# Altium PCB Steam_dev_kit_revised.PcbDoc (part 1 of 3)
Units mil, origin at the board's own origin, x right, y up, seen from the top; angles counter-clockwise.
Board outline 3928.81 x 3902.03 mil, 2 copper layers (Top Layer, Bottom Layer); 218 components, 238 nets, 968 pads, 458 vias.
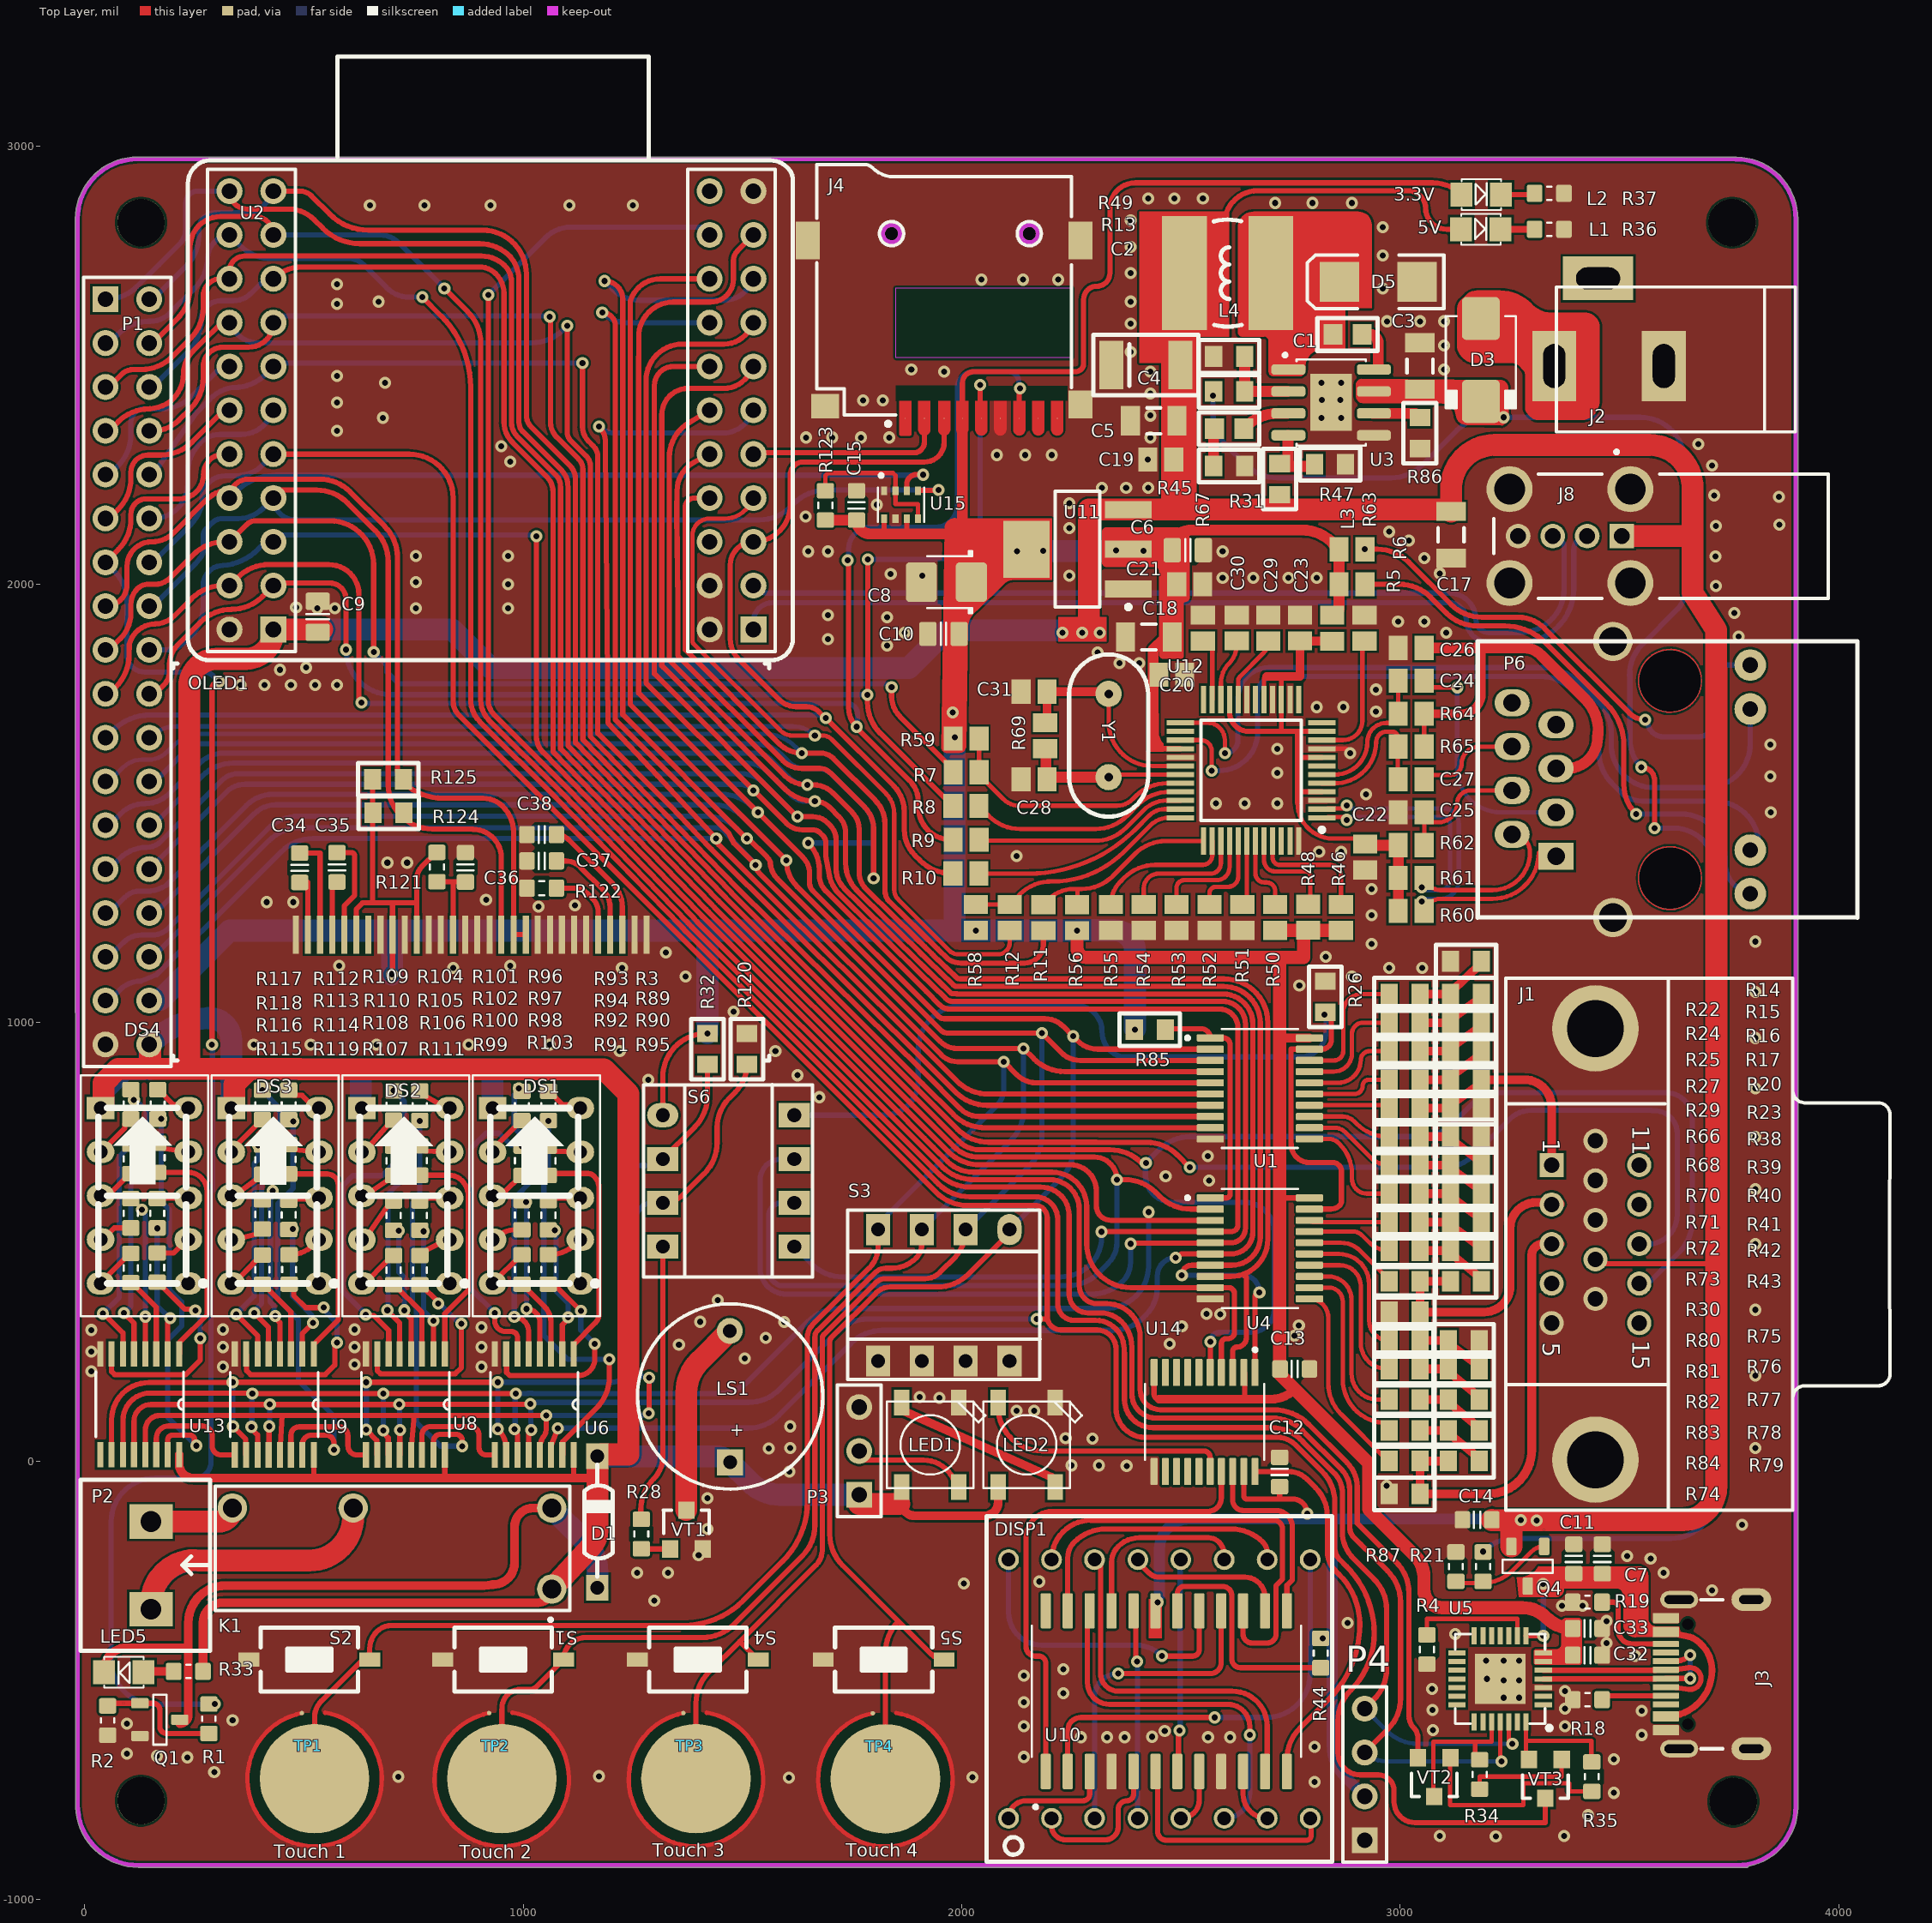
[diagram p0: Top Layer view]
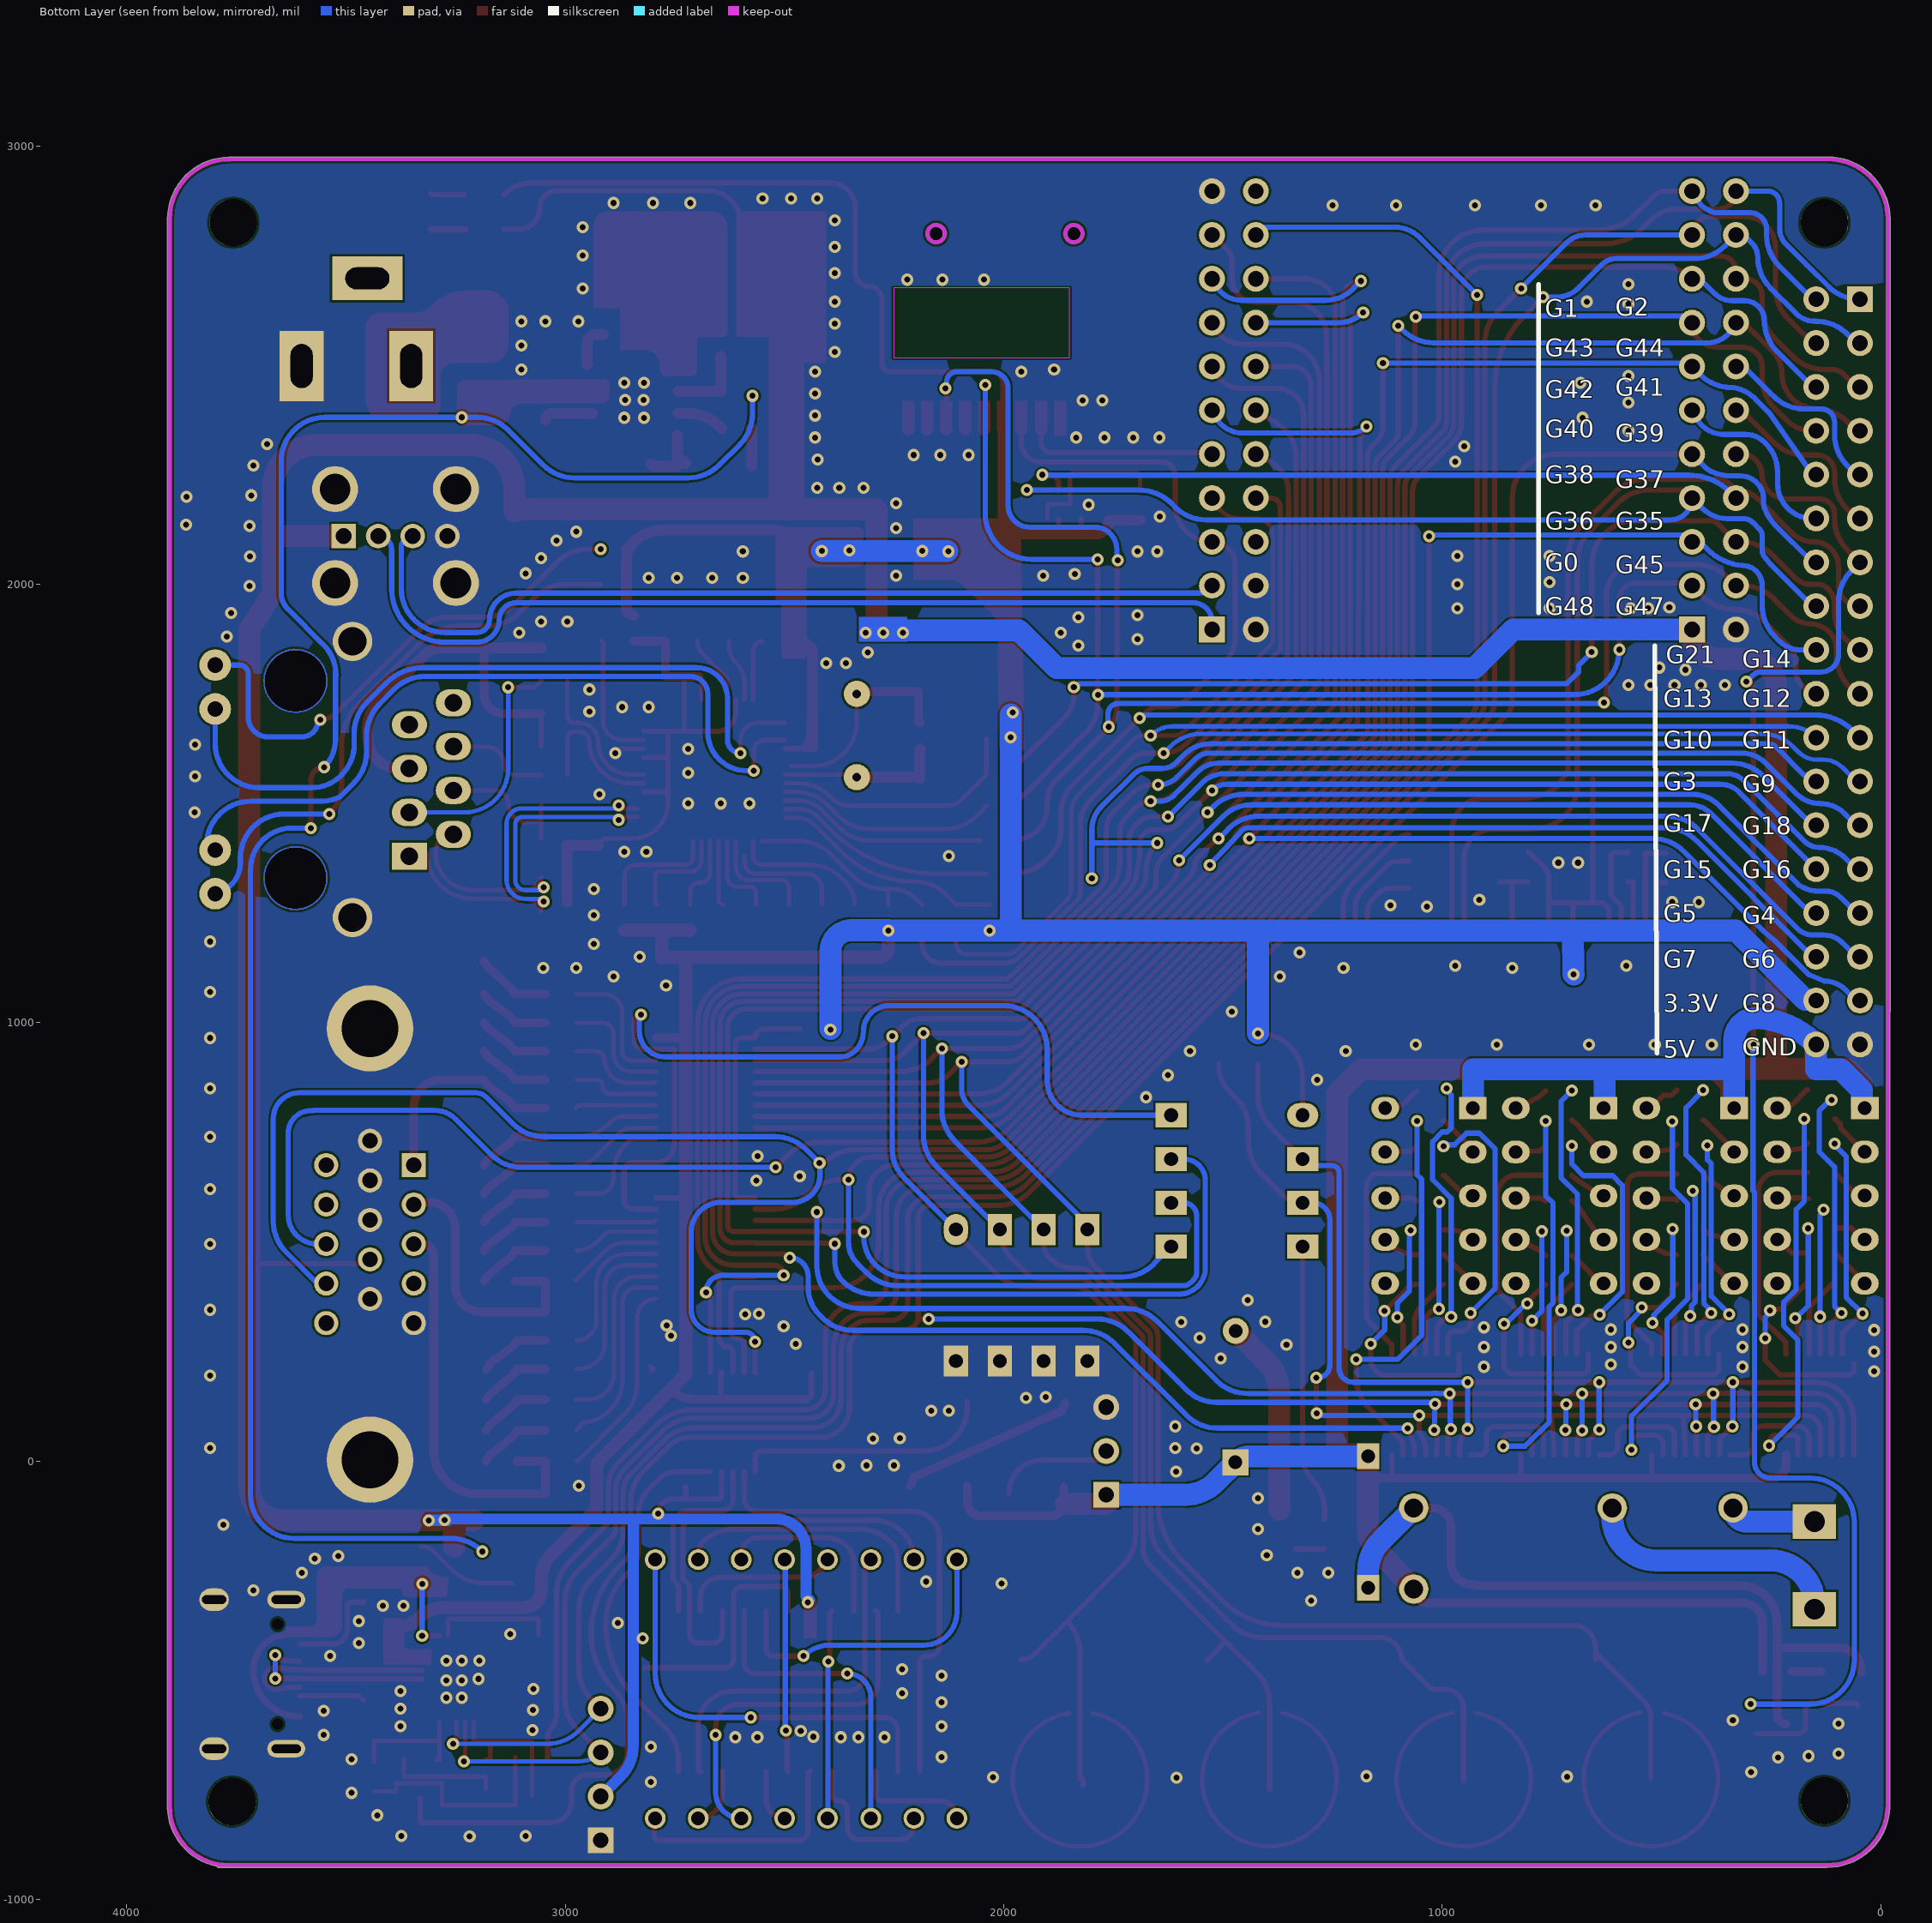
[diagram p1: Bottom Layer view, seen from below]

## Layer stack, top to bottom
Top Solder: solder mask 0.4, Solder Resist, Dk 3.5
Top Layer: signal copper 1.4
Dielectric 1: dielectric 12.6, FR-4, Dk 4.8
Bottom Layer: signal copper 1.4
Bottom Solder: solder mask 0.4, Solder Resist, Dk 3.5

## Board outline
-21.34,-789.69 -21.47,2833.55 cw(c120,2833.55) 120,2975.02 3765.55,2975.02 3767.53,2974.61 cw(c3765.55,2833.15) 3907.02,2833.15 3907.34,2830.11 3907.34,-788.04 3907.01,-789.82 cw(c3768.15,-788.04) 3794.4,-924.41 cw(c3790,-922) 3790,-927.01 123.75,-927.01 121.9,-926.91 cw(c121.9,-783.55)

## Design rules (kind name [scope] priority, off if disabled: settings)
Clearance [All] p1: gap=5 ignorepadtopadclearanceinfootprint=FALSE
ComponentClearance ComponentClearance_1 [InComponent('U1')] p1: gap=0 collisioncheckmode=3 verticalgap=0 showdistances=FALSE
ComponentClearance [All] p2: gap=10 collisioncheckmode=3 verticalgap=10 showdistances=FALSE
DiffPairsRouting [All] p1: maxlimit=10 minlimit=7 mostfreqgap=10 toplayer_minwidth=7 toplayer_maxwidth=15 toplayer_prefwidth=10 bottomlayer_minwidth=7 bottomlayer_maxwidth=15 bottomlayer_prefwidth=10 maxuncoupledlength=500
HoleSize [All] p1: absolutevalues=TRUE maxlimit=10000 minlimit=1 maxpercent=80.000 minpercent=20.000
PlaneConnect [All] p1: planeconnectstyle=Direct reliefexpansion=20 reliefentries=4 reliefconductorwidth=10 reliefairgap=10
PolygonConnect [All] p1: connectstyle=Direct reliefconductorwidth=10 reliefentries=4 polygonreliefangle="90 Angle" airgapwidth=10
RoutingVias [All] p1: holewidth=28 width=50 viastyle="Through Hole" minholewidth=5 minwidth=5 maxholewidth=50 maxwidth=100
SolderMaskExpansion [All] p1: expansion=4 istentingtop=FALSE
Width [All] p1: maxlimit=1000 minlimit=7 preferedwidth=10
26 further rules are at their usual default settings.

## Classes and differential pairs
component class LEDS_DISP: C12 C13 C14 DISP1 DS1 DS2 DS3 DS4 LED1 LED2 P3 R3 R44 R89 R90 R91 R92 R93 R94 R95 R96 R97 R98 R99 R100 R101 R102 R103 R104 R105 R106 R107 R108 R109 R110 R111 R112 R113 R114 R115 R116 R117 R118 R119 U6 U8 U9 U10 U13 U14
component class VGA: J1 R14 R15 R16 R17 R20 R22 R23 R24 R25 R27 R29 R30 R38 R39 R40 R41 R42 R43 R66 R68 R70 R71 R72 R73 R74 R75 R76 R77 R78 R79 R80 R81 R82 R83 R84 R85 U1 U4
component class Other_funtions: C6 C7 C11 C15 C32 C33 C34 C35 C36 C37 C38 D1 J4 J8 K1 LED5 LS1 OLED1 P1 P2 P4 Q1 R1 R2 R4 R26 R28 R32 R33 R34 R35 R120 R121 R122 R123 R124 R125 S1 S2 S3 S4 S5 S6 TP1 TP2 TP3 TP4 U2 U5 U15 VT1 VT2 VT3
component class POWER_SCH: C1 C2 C3 C4 C5 C8 C9 C10 C17 C18 C19 C20 D3 D5 J2 J3 L1 L2 L3 L4 Q4 R13 R18 R19 R21 R31 R36 R37 R45 R47 R49 R86 R87 U3 U11
component class ethernet: C21 C22 C23 C24 C25 C26 C27 C28 C29 C30 C31 P6 R5 R6 R7 R8 R9 R10 R11 R12 R46 R48 R50 R51 R52 R53 R54 R55 R56 R58 R59 R60 R61 R62 R63 R64 R65 R67 R69 U12 Y1
differential pair CPD: +CPD_P -CPD_N
differential pair RXD: +RXD_P -RXD_N
differential pair TD: +TD_P -TD_N
differential pair RD: +RD_P -RD_N
differential pair D: +D_P -D_N

## Components (designator, comment, footprint, x,y, rotation, side; value= is the part's Value field where it differs from the comment)
C1 "0.1uF" CAP-0603 2880,2570 r180 top
C2 "150pF" CAP-0603 2610,2355 r180 top
C3 "Value" C1206 3045,2498.15 r270 top
C4 "47uF" Tantal_B 2420,2500 r0 top
C5 "Value" C1206 2438,2373 r0 top
C6 "approved sub OK" CAPC2012X135N#1 2515.57,2078 r180 top value=100nF
C7 "Cap Semi" CAPC1608X90N 3461,-223.46 r270 top value=10uF
C8 "CAP" CAPMP3528X210N 1965,2005 r180 top
C9 "approved sub OK" CAPC2012X135N#2 531,1926 r270 top value=1n8
C10 "approved sub OK" CAPC2012X135N#2 1958.43,1887 r0 top value=1n8
C11 "Cap Semi" CAPC1608X90N 3396,-223.46 r270 top value=100nF
C12 "Cap Semi" CAPC1608X90N 2725,-25 r90 top value=10uF
C13 "Cap Semi" CAPC1608X90N 2759.54,210 r180 top value=10uF
C14 "Cap Semi" CAPC1608X90N 3175.46,-134 r180 top value=10uF
C15 "Cap Semi" CAPC1608X90N 1760,2180 r270 top value=100nF
C17 "tanCap" C1206 3116,2113 r270 top value=10uF
C18 "tanCap" C1206 2426.85,1880 r180 top value=10uF
C19 "Cap" C0805 2454,2285 r180 top value=0.1uF
C20 "Cap" C0805 2479,1794 r0 top value=0.1uF
C21 "Cap" C0805 2520,2000 r0 top value=0.1uF
C22 "Cap" C0805 2920,1378 r90 top value=0.1uF
C23 "Cap" C0805 2771.53,1900.26 r90 top value=0.1uF
C24 "Cap" C0805 3025,1780 r180 top value=6.8nF
C25 "Cap" C0805 3025,1480 r180 top value=22nF
C26 "Cap" C0805 3025,1855 r0 top value=0.01uF
C27 "Cap" C0805 3025,1555 r180 top value=6.8nF
C28 "Cap" C0805 2165,1555 r0 top value=18pF
C29 "Cap" C0805 2699.13,1900.08 r90 top value=4.7uF
C30 "Cap" C0805 2627.1,1900.26 r90 top value=0.01uF
C31 "Cap" C0805 2165,1755 r0 top value=18pF
C32 "Cap Semi" CAPC1608X90N 3427,-443 r180 top value=10uF
C33 "Cap Semi" CAPC1608X90N 3427,-382 r180 top value=100nF
C34 "Cap Semi" CAPC1608X90N 490,1353.46 r90 top value=1uF
C35 "Cap Semi" CAPC1608X90N 575,1354.46 r270 top value=1uF
C36 "Cap Semi" CAPC1608X90N 868,1354.46 r270 top value=100nF
C37 "Cap Semi" CAPC1608X90N 1042,1369 r180 top value=4.7uF
C38 "Cap Semi" CAPC1608X90N 1042,1429 r180 top value=2.2uF
D1 "Diode Zener" DIODE/NOM/0.5A 1169,-289 r90 top
D3 "MBRS130L" DO-214AA 3184,2512 r270 top
D5 "SS24" SMB 2950,2690 r180 top
DISP1 "DISP_MATRIX_8X8" DISP_8X8_MATRIX_2020 2450.75,-520 r0 top locked
DS1 "LED7SEG-1-0.36T" LED7SEG-1-0.36T 1025,605 r0 top locked
DS2 "LED7SEG-1-0.36T" LED7SEG-1-0.36T 727,605 r0 top locked
DS3 "LED7SEG-1-0.36T" LED7SEG-1-0.36T 429,605 r0 top locked
DS4 "LED7SEG-1-0.36T" LED7SEG-1-0.36T 131,605.3 r0 top
J1 "HDR-15S11G1R" DB15-VGA-Female 3345.31,675.32 r270 top locked
J2 "Jac DC" DC-IN 3476.3,2598 r180 top
J3 "USB-C" "USB-C 8p" 3903.24,-486.22 r90 top
J4 "MicroSD" SDCard_Micro 1960,2800 r180 top locked
J8 "USBR-A-S-F-O-VU" SAMTEC_USBR-A-S-F-O-VU 3387.2,2110 r90 top locked
K1 "PANASONIC ELECTRIC WORKS - ALDP105 - RELAY, SPST-NO, 277VAC, 30VDC, 5A   Source:  Datasheet" ALDP 700.58,-199.52 r180 top
L1 "LED SMD" SM-LED-0805-Orange 3139,2810 r0 top
L2 "LED SMD" SM-LED-0805-Orange 3140,2889 r0 top
L3 "Inductor" C0805 2844.84,1899.89 r270 top value=1uH
L4 "15uH" "Inductor SMD 6.8*6.8*4.5" 2705,2710 r180 top
LED1 "WS2812B" WS2812B 1928,37 r270 top
LED2 "WS2812B" WS2812B 2148,37 r270 top
LED5 "LED SMD" SM-LED-0805-Orange 134,-482 r180 top
LS1 "Speaker" SPEAKER 1471.5,-3 r90 top
OLED1 "DISP_OLED_UG-2864HSWEG01_NOOUTLINEWATCH" UG-2864HSWEG01_1.3 880.98,1208.86 r0 top locked
P1 "Header 18X2" HDR2X18 47,2650.3 r270 top
P2 "Header 2 - M" "Medium - Header 2" 151,-238 r270 top
P3 "Header 3" HDR1X3 1766,-77 r90 top
P4 "Header 4" HDR1X4 2919,-865 r90 top
P6 "HR911105A" HR911105A 3355.39,1379.76 r0 top locked
Q1 "AO3404" SOT23-3 171,-590 r0 top
Q4 "AO3415" SOT23-3 3291,-240 r270 top
R1 "1K" RESC1608N_ZERO#1 283,-588 r270 top
R2 "1K" RESC1608N_ZERO#1 52,-592 r90 top
R3 "Resistor" RESC1608N_ZERO#2 1057.46,810.02 r270 top value=300R
R4 "Resistor" RESC1608N_ZERO#2 3061,-430 r270 top value=10K
R5 "Res2" C0805 2890,2000 r0 top value=1K
R6 "Res2" C0805 2890,2080 r0 top value=1K
R7 "Res2" C0805 2010,1571.38 r0 top value=20R
R8 "Res2" C0805 2009.53,1494.44 r0 top value=20R
R9 "Res2" C0805 2010,1417.5 r0 top value=20R
R10 "Res2" C0805 2009.53,1340.56 r0 top value=20R
R11 "Res2" C0805 2186.12,1239.69 r90 top value=20R
R12 "Res2" C0805 2109.18,1240 r90 top value=20R
R13 "100K" RES-0603 2610,2440 r0 top
R14 "Res2" RES-0603 3150,1140 r180 top value=300
R15 "Res2" RES-0603 3150,1065 r180 top value=150
R16 "Res2" RES-0603 3150,1000 r180 top value=150
R17 "Res2" RES-0603 3150,935 r180 top value=150
R18 "1K" RESC1608N_ZERO#1 3427,-544.45 r0 top
R19 "1K" RESC1608N_ZERO#1 3427,-322 r0 top
R20 "Res2" RES-0603 3150,870 r180 top value=150
R21 "Resistor" RESC1608N_ZERO#2 3189,-241 r270 top value=10K
R22 "Res2" RES-0603 3010,1065 r180 top value=300
R23 "Res2" RES-0603 3150,805 r0 top value=82R
R24 "Res2" RES-0603 3010,1000 r180 top value=300
R25 "Res2" RES-0603 3010,935 r180 top value=300
R26 "Res2" RES-0603 2829,1059 r90 top value=10K
R27 "Res2" RES-0603 3010,870 r180 top value=300
R28 "1K" RESC1608N_ZERO#2 1269.12,-166.46 r270 top
R29 "Res2" RES-0603 3010,805 r180 top value=300
R30 "Res2" RES-0603 3010,340 r180 top value=82R
R31 "43K" RES-0603 2725,2240 r270 top
R32 "Res2" RES-0603 1420,940 r270 top value=10K
R33 "1K" RESC1608N_ZERO#1 236,-480 r0 top
R34 "Resistor" RESC1608N_ZERO#2 3181,-715 r270 top value=10K
R35 "Resistor" RESC1608N_ZERO#2 3437,-720 r90 top value=10K
R36 "1K" RESC1608N_ZERO#1 3340,2810 r180 top
R37 "1K" RESC1608N_ZERO#1 3340,2892 r180 top
R38 "Res2" RES-0603 3150,741.02 r0 top value=300
R39 "Res2" RES-0603 3150,675 r0 top value=150
R40 "Res2" RES-0603 3150,610 r0 top value=150
R41 "Res2" RES-0603 3150,545 r0 top value=150
R42 "Res2" RES-0603 3150,480 r0 top value=150
R43 "Res2" RES-0603 3150,410 r0 top value=150
R44 "Resistor" RESC1608N_ZERO#2 2818.75,-438 r270 top value=10K
R45 "100K" RES-0603 2610,2270 r0 top
R46 "Res2" C0805 2865,1240 r270 top value=10K
R47 "8.2K" RES-0603 2840,2274 r0 top
R48 "Res2" C0805 2790,1240.47 r270 top value=10K
R49 "100K" RES-0603 2610,2520 r0 top
R50 "Res2" C0805 2715,1240 r270 top value=10K
R51 "Res2" C0805 2640,1240 r270 top value=10K
R52 "Res2" C0805 2565,1240 r270 top value=10K
R53 "Res2" C0805 2490,1240 r270 top value=10K
R54 "Res2" C0805 2415,1240 r270 top value=10K
R55 "Res2" C0805 2340,1240 r270 top value=10K
R56 "Res2" C0805 2263.06,1239.69 r270 top value=10K
R58 "Res2" C0805 2032.24,1240 r270 top value=10K
R59 "Res2" C0805 2010,1648.32 r180 top value=10K
R60 "Res2" C0805 3025,1255 r0 top value=51R
R61 "Res2" C0805 3025,1330 r0 top value=51R
R62 "Res2" C0805 3025,1405 r0 top value=10R
R63 "Res2" C0805 2918.53,1900.08 r270 top value="12.4K 1%"
R64 "Res2" C0805 3025,1705 r180 top value=82R
R65 "Res2" C0805 3025,1630 r0 top value=82R
R66 "Res2" RES-0603 3010,740 r180 top value=300
R67 "Res2" C0805 2550,1900 r270 top value=10K
R68 "Res2" RES-0603 3010,675 r180 top value=300
R69 "Res2" C0805 2190,1654.53 r270 top value=1M
R70 "Res2" RES-0603 3010,610 r180 top value=300
R71 "Res2" RES-0603 3010,545 r180 top value=300
R72 "Res2" RES-0603 3010,480 r180 top value=300
R73 "Res2" RES-0603 3010,410 r180 top value=300
R74 "Res2" RES-0603 3010,-75 r180 top value=82R
R75 "Res2" RES-0603 3145,275 r0 top value=300
R76 "Res2" RES-0603 3145,210 r0 top value=150
R77 "Res2" RES-0603 3145,140 r0 top value=150
R78 "Res2" RES-0603 3145,70 r0 top value=150
R79 "Res2" RES-0603 3145,0 r0 top value=150
R80 "Res2" RES-0603 3010,275 r180 top value=300
R81 "Res2" RES-0603 3010,210 r180 top value=300
R82 "Res2" RES-0603 3010,140 r180 top value=300
R83 "Res2" RES-0603 3010,70 r180 top value=300
R84 "Res2" RES-0603 3010,0 r180 top value=300
R85 "Res2" RES-0603 2429,984 r0 top value=10K
R86 "200K" RES-0603 3045,2345 r90 top
R87 "Resistor" RESC1608N_ZERO#2 3127,-241 r90 top value=10K
R89 "Resistor" RESC1608N_ZERO#2 1057,685 r270 top value=300R
R90 "Resistor" RESC1608N_ZERO#2 1057,560.54 r270 top value=300R
R91 "Resistor" RESC1608N_ZERO#2 997,437 r270 top value=300R
R92 "Resistor" RESC1608N_ZERO#2 997,561 r90 top value=300R
R93 "Resistor" RESC1608N_ZERO#2 997,810 r90 top value=300R
R94 "Resistor" RESC1608N_ZERO#2 997,685 r90 top value=300R
R95 "Resistor" RESC1608N_ZERO#2 1057,437 r270 top value=300R
R96 "Resistor" RESC1608N_ZERO#2 764,810.54 r270 top value=300R
R97 "Resistor" RESC1608N_ZERO#2 764,685.54 r270 top value=300R
R98 "Resistor" RESC1608N_ZERO#2 764,560 r270 top value=300R
R99 "Resistor" RESC1608N_ZERO#2 704,435.46 r270 top value=300R
R100 "Resistor" RESC1608N_ZERO#2 704,560 r270 top value=300R
R101 "Resistor" RESC1608N_ZERO#2 704,811 r90 top value=300R
R102 "Resistor" RESC1608N_ZERO#2 704,685 r90 top value=300R
R103 "Resistor" RESC1608N_ZERO#2 764.3,435.39 r270 top value=300R
R104 "Resistor" RESC1608N_ZERO#2 465,812.46 r270 top value=300R
R105 "Resistor" RESC1608N_ZERO#2 465,688.46 r270 top value=300R
R106 "Resistor" RESC1608N_ZERO#2 465,561.54 r270 top value=300R
R107 "Resistor" RESC1608N_ZERO#2 405,436.54 r270 top value=300R
R108 "Resistor" RESC1608N_ZERO#2 405,562.54 r90 top value=300R
R109 "Resistor" RESC1608N_ZERO#2 405,812.54 r90 top value=300R
R110 "Resistor" RESC1608N_ZERO#2 405,687.46 r90 top value=300R
R111 "Resistor" RESC1608N_ZERO#2 466,437 r270 top value=300R
R112 "Resistor" RESC1608N_ZERO#2 166,813.76 r270 top value=300R
R113 "Resistor" RESC1608N_ZERO#2 166,691.83 r270 top value=300R
R114 "Resistor" RESC1608N_ZERO#2 165,565.3 r270 top value=300R
R115 "Resistor" RESC1608N_ZERO#2 105,440.3 r270 top value=300R
R116 "Resistor" RESC1608N_ZERO#2 105,565.3 r90 top value=300R
R117 "Resistor" RESC1608N_ZERO#2 105,813.76 r90 top value=300R
R118 "Resistor" RESC1608N_ZERO#2 105,689.3 r90 top value=300R
R119 "Resistor" RESC1608N_ZERO#2 165,441.3 r270 top value=300R
R120 "Res2" RES-0603 1510,940 r90 top value=10K
R121 "Resistor" RESC1608N_ZERO#2 803,1355 r270 top value=10K
R122 "Resistor" RESC1608N_ZERO#2 1042,1307 r180 top value=390K
R123 "Resistor" RESC1608N_ZERO#2 1689,2180 r270 top value=4.7K
R124 "Res2" RES-0603 692.57,1479 r0 top value=10K
R125 "Res2" RES-0603 691.57,1555 r0 top value=10K
S1 "SW-SMD" SW-SMD 954,-453 r0 top
S2 "SW-SMD" SW-SMD 512,-453 r0 top
S3 "SW DIP-4" DIPSWITCH4 2109,528 r180 top
S4 "SW-SMD" SW-SMD 1398,-453 r0 top
S5 "SW-SMD" SW-SMD 1822,-453 r0 top
S6 "SW DIP-4" DIPSWITCH4 1318,789 r270 top locked
TP1 "Touch Pad" "Touch Pad" 523.93,-725.63 r0 top
TP2 "Touch Pad" "Touch Pad" 951,-725.63 r0 top
TP3 "Touch Pad" "Touch Pad" 1393.93,-725.63 r0 top
TP4 "Touch Pad" "Touch Pad" 1826,-726 r0 top
U1 "SN74LVC245APWR" SOP65P640X120-20N 2680,850 r0 top
U2 "ESP32S3_CONTROLLER" ESP32S3_controller 968,2543 r0 top locked
U3 "MP1584EN" SOIC127P600X170-9N 2842.44,2415 r0 top
U4 "SN74LVC245APWR" SOP65P640X120-20N 2680.01,485.16 r0 top
U5 "CP2102-GM" CP2102 3228,-497 r180 top
U6 "74HC595PW,118" SOP65P640X110-16N 1025,129 r270 top locked
U8 "74HC595PW,118" SOP65P640X110-16N 731,129 r270 top locked
U9 "74HC595PW,118" SOP65P640X110-16N 432,129 r270 top locked
U10 "MAX7219CWG+T" SOIC127P1032X265-24N 2466.75,-525 r90 top locked
U11 "AMS1117-3.3" SOT223_M 2263.86,2080 r180 top
U12 "W5500" LQFP48 2660,1575.78 r270 top locked
U13 "74HC595PW,118" SOP65P640X110-16N 125,129.3 r270 top locked
U14 "TXS0108EPWR" SOP65P640X120-20N 2553.8,89.01 r270 top
U15 "BMP280" XDCR_BMP280 1861.61,2181.5 r90 top
VT1 "S8050" SMT_TRIODE_NPN 1372,-156.29 r0 top
VT2 "S8050" SMT_TRIODE_NPN 3077.58,-721.16 r180 top
VT3 "S8050" SMT_TRIODE_NPN 3331,-725 r180 top
Y1 "25MHz" XTAL-HC49 2335,1750 r270 top

## Footprints (in the part's own frame and the unit in brackets; to place one, negate y for a bottom-side part, rotate by r counter-clockwise, add the part's x,y. Pads: shape width x height; smd on the part's side, far side on the other; paste and mask are expansions set on the pad)